# Altium PCB Sensor_Box_Hub_OrangePi.PCBDOC (part 2 of 2)
Units mm, origin at the board's own origin, x right, y up, seen from the top; angles counter-clockwise.
Board outline 45.25 x 72.98 mm, 2 copper layers (Top, Bot), stack 1.571 mm thick; 78 components, 71 nets, 345 pads, 240 vias.
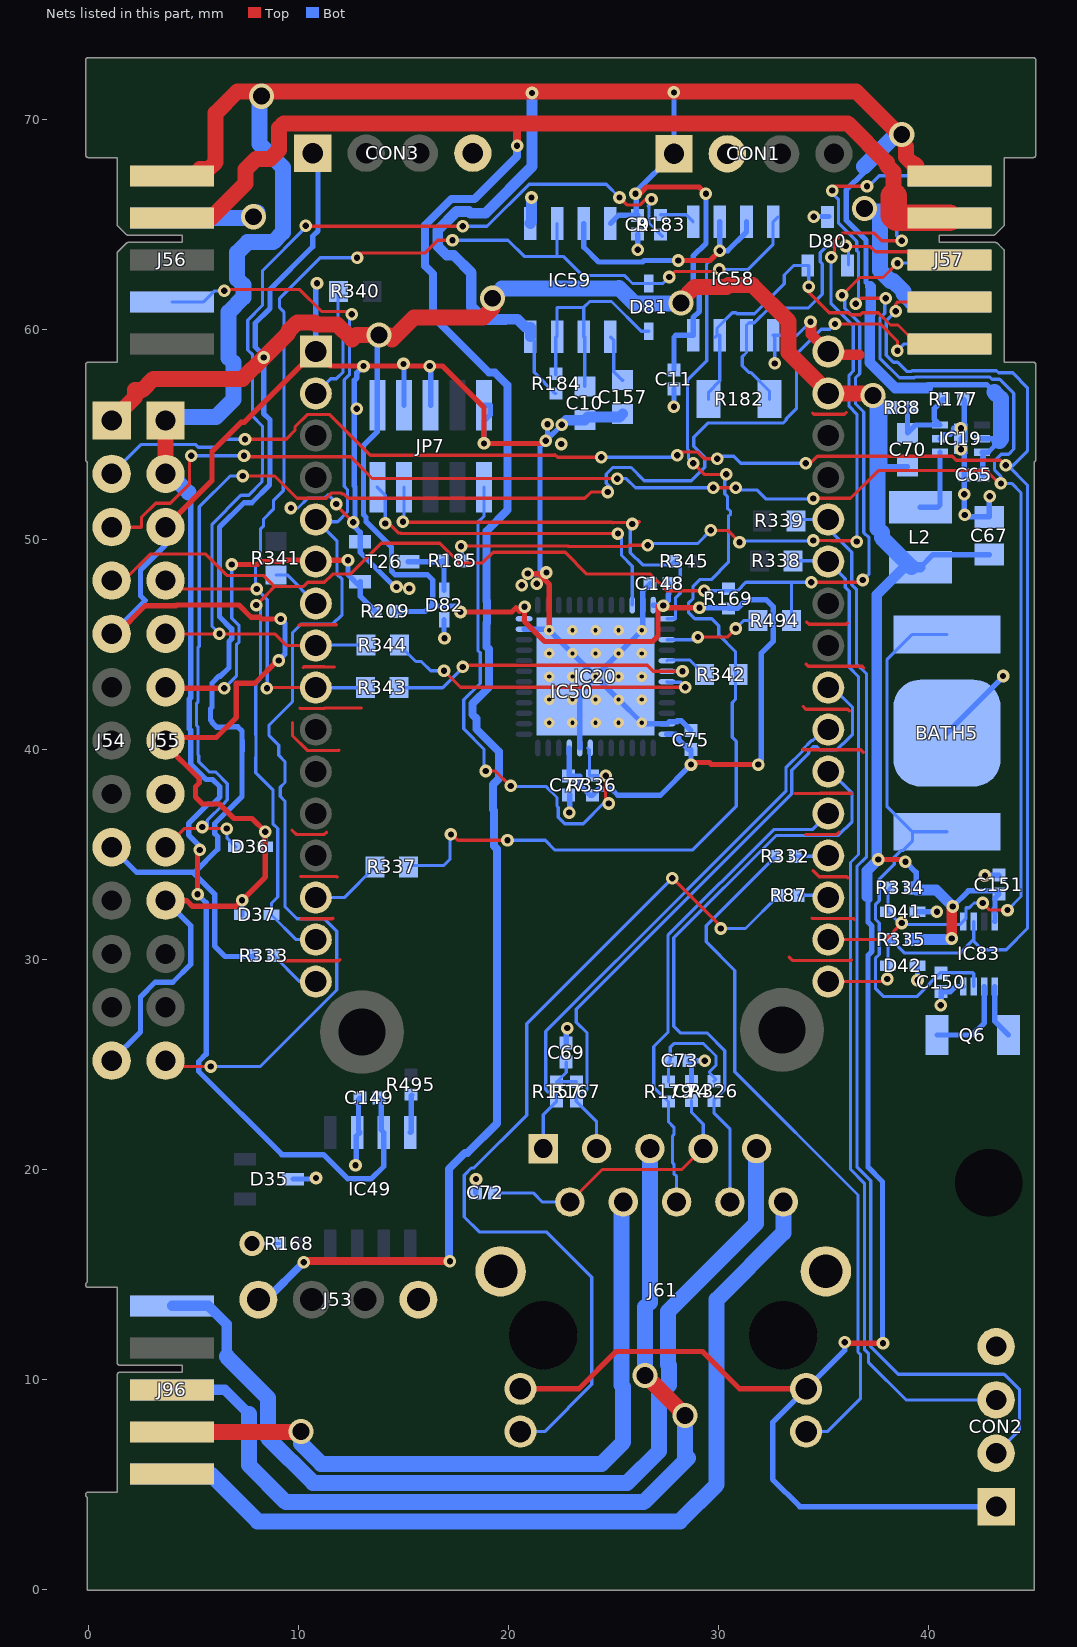
[diagram p2: the nets of this part, all layers, seen from the top]

## Via types
v1: diameter 0.6, hole 0.3, Top to Bot, tented both sides, 201 vias
v2: diameter 0.5, hole 0.2, Top to Bot, tented both sides, 25 vias
v3: diameter 1.2, hole 0.8, Top to Bot, tented both sides, 11 vias
v4: diameter 0.6, hole 0.3, Top to Bot, 2 vias
v5: diameter 1.2, hole 0.711, Top to Bot, tented both sides, 1 vias

## Nets (pads, with @x,y where several pads share a name; then routed paths per layer and width w, separated by ;. In a path a pad name is that pad's centre, name@x,y a point inside that pad or via, vN(x,y) a via of type N, cw(c..) or ccw(c..) an arc to the next point about the centre after c; other vN are vias at no path point) (continued)
GND: BATH5.2 C9.2 C10.1 C11.2 C65.1 C67.2 C69.2 C72.2 C73.2 C74.2 C75.1 C77.1 C148.1 C149.1 C150.2 C151.2 C157.1 CON1.2 CON2.4 CON3.4 D35.3 D36.2 D37.2 D41.2 D42.2 D80.3 D82.2 IC19.5 IC19.7 IC20.8 IC20.23 IC20.35 IC20.47 IC20.49 IC49.2 IC50.1 IC50.32 IC58.5 IC59.1 IC83.4 J53.4 J54.5 J54.13 J55.3 J55.7 J55.10 J56.7 J57.9 J61.S1 J61.S2 JP7.3 JP7.5 JP7.9 R168.1 R177.1 T26.2 | length 227.7
  Top w0.152: 9.081,29.921 9.084,29.925 11.942,29.925 11.989,29.972 ; v1(9.652,51.486) v1@9.677,51.46 ; 9.703,36.144 9.902,35.945 11.248,35.945 11.35,36.047 ; 9.728,41.275 9.728,40.644 10.428,39.945 11.929,39.945 11.938,39.954 ; 10.033,45.898 10.06,45.925 11.248,45.925 11.25,45.923 11.811,45.923 ; 10.084,41.961 10.1,41.945 11.248,41.945 11.264,41.961 13.005,41.961 ; 10.109,33.934 11.836,33.934 11.862,33.909 ; 10.135,31.925 11.63,31.925 11.659,31.953 ; 10.236,43.891 10.27,43.925 11.248,43.925 11.256,43.917 11.735,43.917 ; v1(11.817,51.673) 11.817,51.607 v1(12.624,50.8) ; 33.376,30.099 33.53,29.945 36.32,29.945 36.347,29.972 ; 33.655,37.897 34.835,37.897 34.838,37.9 36.319,37.9 36.347,37.871 ; 34.036,40.005 34.071,39.97 36.788,39.97 36.906,39.853 ; 34.036,42.037 34.173,41.9 36.172,41.9 36.238,41.834 ; 34.163,35.941 35.643,35.941 35.75,36.048 ; 34.188,44.044 34.287,43.945 36.852,43.945 36.932,43.866 ; 34.214,46.05 34.319,45.945 36.09,45.945 36.144,45.999 ; 34.468,31.953 34.476,31.945 36.432,31.945 36.474,31.902 ; 34.493,56.007 34.555,55.945 36.006,55.945 36.093,56.032 ; 34.514,34.211 34.799,33.925 36.128,33.925 36.17,33.884
  Top w0.254: J54.5@1.118,45.491 1.372,45.491 2.718,46.838 4.177,46.838 4.203,46.863 7.182,46.863 7.761,46.284 8.174,46.284 8.255,46.203 v1(9.169,46.203) ; J55.10@3.683,32.791 4.692,32.791 4.967,32.517 7.038,32.517 v1(7.326,32.806) 8.433,33.912 v1(8.433,36.068) 7.798,36.703 6.941,36.703 6.25,37.394 5.45,37.394 5.11,37.733 5.11,38.213 5.288,38.391 5.288,38.603 3.683,40.208 J55.7@3.683,40.411 3.831,40.559 6.098,40.559 7.056,41.518 7.056,43.141 7.93,43.141 9.01,44.221 v1(9.068,44.221) ; J55.3@3.683,50.571 5.898,52.786 5.898,54.183 7.29,55.575 7.442,55.575 10.802,58.935 IC50.1@10.838,58.935 11.531,58.242 v1(13.106,58.242) v1(16.256,58.242) 16.866,58.242 18.847,56.261 v1(18.847,54.559) 21.666,54.559 v1(21.793,54.686) ; v1(20.93,48.362) 21.438,48.362 21.955,47.844 v2(21.955,45.659)
  Top w0.508: v1@34.417,60.198 34.417,59.756 IC50.32@35.238,58.935 35.397,58.776 36.703,58.776
  Bot w0.152: v5(7.798,16.459) R168.1@9.106,16.459 ; v1@9.728,51.41 v1(9.652,51.486) 9.988,51.486 10.447,51.945 11.248,51.945 11.424,52.121 11.817,51.728 v1(11.817,51.673) ; v1(32.69,58.369) 32.69,59.632 IC58.5@32.614,59.708 33.749,59.708 v1(34.392,60.35)
  Bot w0.254: J54.13@1.118,25.171 2.489,26.543 2.489,28.206 3.189,28.905 4.025,28.905 4.877,29.757 4.877,31.598 J55.10@3.683,32.791 ; J54.5@1.118,45.491 1.129,45.491 2.718,47.08 2.489,47.308 2.489,48.526 3.683,49.72 J55.3@3.683,50.571 ; J56.7@4,65.3 J56.7@4.3,65.3 ; D37.2@7.326,32.106 v1(7.326,32.806) ; D36.2@8.422,35.357 8.422,36.057 v1(8.433,36.068) ; v1(9.068,44.221) 9.373,44.526 9.373,45.999 v1(9.169,46.203) ; D35.3@9.761,19.533 10.795,19.533 v1(10.846,19.583) ; IC50.1@10.838,58.935 10.838,62.12 v1(10.897,62.179) ; v1(12.624,50.8) 12.624,50.978 v1@12.675,51.029 ; v1(12.725,20.193) 12.763,20.231 12.763,21.578 12.936,21.75 12.869,21.817 12.869,23.326 C149.1@12.936,23.393 ; v1(13.106,58.242) 12.793,57.929 12.793,57.679 12.675,57.561 12.675,52.533 12.701,52.507 12.701,51.055 v1@12.675,51.029 ; v1(14.681,47.727) 14.598,47.727 12.947,49.378 T26.2@12.947,49.87 12.947,50.324 12.675,50.597 v1@12.675,51.029 ; v1(15.011,58.344) 15.037,58.318 JP7.3@15.037,56.382 ; v1(16.256,58.242) 16.307,58.191 JP7.5@16.307,56.382 ; D82.2@16.942,46.163 16.942,45.314 v1(16.967,45.288) ; C72.2@18.448,18.872 18.448,19.514 v1(18.466,19.533) ; v1(18.847,54.559) 18.847,55.626 19.152,55.931 19.152,56.382 JP7.9@18.847,56.382 ; IC20.23@20.755,45.709 21.905,45.709 v2(21.955,45.659) v2(23.055,44.559) v2(24.155,43.459) ; v1(20.93,48.362) 21.438,48.362 21.514,48.285 21.514,54.407 v1(21.793,54.686) v1@21.869,54.762 ; v1(21.869,55.474) v1@21.869,54.762 ; C69.2@22.758,26.002 22.758,26.67 v1(22.809,26.721) ; v1@22.758,55.651 v1(22.555,55.448) v1@21.869,54.762 ; v1(22.911,36.982) 22.936,37.008 C77.1@22.936,37.828 ; IC20.8@23.405,40.059 23.405,42.709 v2(24.155,43.459) ; v1(26.162,63.779) C9.2@26.162,64.523 ; C148.1@26.753,47.879 26.405,47.531 IC20.35@26.405,46.859 26.405,45.709 v2(25.255,44.559) v2(24.155,43.459) ; v1(27.889,56.312) C11.2@27.889,57.157 ; C75.1@28.702,40.887 28.242,41.347 28.04,41.347 28.04,41.305 27.651,41.305 IC20.47@27.555,41.209 26.405,41.209 v2(26.355,41.259) v2(25.255,42.359) v2(24.155,43.459) ; C74.2@28.727,24.174 28.727,25.063 C73.2@28.619,25.171 v1(29.362,25.171) ; v1(34.544,65.354) 34.551,65.361 D80.3@35.255,65.361 ; v1(39.486,28.993) D42.2@39.486,29.693 ; D41.2@39.486,32.258 v1(40.411,32.258) ; IC19.5@40.554,54.788 40.75,54.983 41.045,54.983 41.209,55.147 41.209,55.288 v1(41.554,55.288) ; v1(40.589,27.813) 40.615,27.788 C150.2@40.615,28.455 41.054,28.455 41.3,28.701 IC83.4@41.668,28.701 ; BATH5.2@40.894,40.767 43.561,43.434 v1(43.561,43.485) ; v1(41.554,54.288) IC19.7@41.554,54.788 ; R177.1@41.669,56.667 41.714,56.622 IC19.7@41.714,54.788 ; IC19.7@41.714,54.288 C65.1@41.714,53.061 v1(41.714,52.146) 41.714,51.174 v1(41.732,51.156) 41.823,51.065 C67.2@42.901,51.065 42.901,52.019 v1(42.926,52.045) ; v1(42.697,33.985) 42.716,34.003 C151.2@43.358,34.003
  Bot w0.508: IC59.1@21.057,65.032 21.039,65.049 21.107,65.118 v1(21.107,66.269) ; v1@22.758,55.651 22.765,55.658 23.641,55.658 C10.1@23.647,55.664 23.8,55.817 25.298,55.817 C157.1@25.451,55.969
  Bot w0.762: J56.7@4,65.3 4.017,65.283 4.142,65.283 4.149,65.29 4.293,65.29 4.3,65.297 4.3,65.3 4.3,65.303 7.822,65.303 v3(7.874,65.354) v3@8.064,65.545 ; v3(36.966,65.75) 36.94,65.75 36.794,65.604 37.697,65.604 37.697,62.8 38.196,62.301 38.318,62.301 38.82,61.799 38.82,61.688 39.208,61.3 J57.9@41,61.3
  other v1: 15.291,47.65 20.65,47.803 21.361,47.879 21.819,48.412 22.53,54.534 12.782,56.21
  other v2: 21.955,41.259 23.055,41.259 24.155,41.259 25.255,41.259 21.955,42.359 23.055,42.359 24.155,42.359 26.355,42.359 21.955,43.459 23.055,43.459 25.255,43.459 26.355,43.459 21.955,44.559 24.155,44.559 26.355,44.559 23.055,45.659 24.155,45.659 25.255,45.659 26.355,45.659
GSM_PWR: IC50.5 J55.13 J56.9 | length 57.9
  Top w0.152: J55.13@3.683,25.171 3.962,24.892 v1(5.842,24.892) ; v1(6.477,61.824) 6.548,61.895 10.057,61.895 11.112,60.839 12.262,60.839 12.505,60.596 12.548,60.638 v1(12.548,60.706)
  Bot w0.152: J56.9@4,61.3 5.496,61.3 6.02,61.824 v1(6.477,61.824) ; v1(5.842,24.892) 8.195,24.892 11.836,28.533 11.836,31.337 11.248,31.925 9.942,31.925 9.373,32.495 9.373,37.53 9.149,37.754 9.149,38.192 9.373,38.416 9.373,39.406 9.073,39.706 9.073,40.192 8.615,40.65 8.615,41.152 9.728,42.265 9.728,45.542 10.131,45.945 11.629,45.945 12.09,46.406 12.09,48.09 11.841,48.339 11.841,49.932 IC50.5@10.943,50.83 ; IC50.5@10.838,50.935 IC50.5@10.943,50.83 ; v1(12.548,60.706) 12.437,60.596 12.437,57.826 12.193,57.582 12.193,52.511 12.345,52.359 12.345,51.298 11.878,50.83 IC50.5@10.943,50.83
IO0: J55.8
IO0/PWM: D37.1 IC50.15 J54.4 J57.8 R169.2 R494.2 | length 81.2
  Top w0.152: J54.4@1.118,48.031 1.702,48.031 2.972,49.301 5.577,49.301 6.614,48.265 7.052,48.265 7.062,48.275 8.341,48.275 8.865,47.752 8.89,47.752 ; v1(8.001,46.863) 8.005,46.863 8.55,47.409 8.55,47.412 8.89,47.752 ; v1(29.337,47.549) 27.562,47.549 26.772,48.339 23.745,48.339 22.707,49.378 19.279,49.378 18.771,48.87 17.678,48.87 16.739,49.809 13.945,49.809 12.474,48.339 11.642,48.339 11.248,47.945 10.447,47.945 10.255,47.752 8.89,47.752 ; v1(34.432,47.945) 36.769,47.945 v1(36.881,48.057) ; v1(35.89,61.62) 36.728,62.459 37.846,62.459 v1(38.532,63.144)
  Bot w0.152: v1(8.001,46.863) 8.199,46.665 8.199,43.339 7.98,43.12 7.98,40.687 7.996,40.671 7.996,39.644 7.98,39.628 7.98,38.883 8.794,38.069 8.794,36.454 9.025,36.223 9.025,32.963 8.726,32.664 D37.1@8.726,32.106 9.897,30.935 IC50.15@10.838,30.935 ; v1(29.337,47.549) 30.922,47.549 31.318,47.945 33.493,47.945 ; R494.2@33.495,46.126 33.495,47.944 33.493,47.945 ; v1(34.432,47.945) 33.493,47.945 ; v1@35.936,61.574 36.022,61.489 36.022,60.995 36.733,60.284 36.733,57.883 36.535,57.684 36.535,56.451 36.932,56.054 36.932,50.315 37.181,50.066 37.181,48.357 v1(36.881,48.057) ; v1(38.532,63.144) 39.518,63.144 39.798,62.865 40.214,63.281 40.553,62.941 40.953,63.341 40.997,63.297 J57.8@41,63.3
IO1: D36.1 J55.9 J57.10 | length 66.6
  Top w0.152: J55.9@3.683,35.331 4.572,36.22 v1(6.604,36.22) ; v1(7.366,53.01) 8.876,53.01 9.94,51.945 11.341,51.945 11.598,52.201 12.036,52.201 12.091,52.146 12.181,52.146 12.383,51.945 23.647,51.945 23.95,52.248 v1(24.74,52.248) ; v1(35.56,60.249) 37.719,60.249 38.532,59.436 v1(38.532,58.979)
  Bot w0.152: v1@5.436,36.119 5.669,36.352 5.669,36.608 6.451,37.39 6.451,37.412 6.625,37.586 6.625,38.36 6.072,38.913 5.755,38.913 5.263,39.405 5.263,39.695 5.232,39.726 5.232,41.053 5.161,41.125 5.161,42.195 5.232,42.266 5.232,44.85 5.283,44.9 5.283,51.536 6.757,53.01 v1(7.366,53.01) ; v1(6.604,36.22) 6.604,35.774 D36.1@7.022,35.357 ; v1@24.912,52.42 24.668,52.664 24.668,53.102 24.978,53.411 25.848,53.411 26.478,52.781 28.713,52.781 29.358,53.426 29.358,53.754 29.35,53.761 29.35,53.9 28.834,54.416 28.834,54.854 29.518,55.539 33.108,55.539 33.242,55.673 33.242,55.74 33.731,56.23 33.731,58.829 34.897,59.995 35.306,59.995 v1(35.56,60.249) ; v1(38.532,58.979) 38.853,59.3 J57.10@41,59.3
  other v1: 5.436,36.297
LEDG: IC50.20 R332.1 | length 1.6
  Bot w0.152: R332.1@33.668,34.9 35.202,34.9 IC50.20@35.238,34.935
LEDY: IC50.19 R87.1 | length 1.5
  Bot w0.152: R87.1@33.82,33.045 35.127,33.045 IC50.19@35.238,32.935
MODBUS_A: D80.1 IC58.6 J57.3 R182.2 | length 18.1
  Top w0.152: v1(36.068,63.957) 36.215,63.957 v1@36.241,63.932 ; v1@36.271,63.932 37.24,63.932 37.489,63.683 38.954,63.683 38.99,63.719 39.191,63.519 39.191,63.3 J57.3@41,63.3
  Bot w0.152: R182.2@32.438,56.667 32.438,57.046 31.542,57.942 31.455,57.942 31.145,58.252 31.145,58.69 31.344,58.888 IC58.6@31.344,59.708 31.344,60.183 31.465,60.304 31.724,60.304 32.425,61.005 34.285,61.005 34.95,61.671 34.95,63.108 34.854,63.205 34.854,63.643 35.168,63.957 v1(36.068,63.957) 36.195,63.957 36.205,63.967 D80.1@36.205,63.061
MODBUS_B: D80.2 IC58.7 J57.5 R182.1 | length 18.6
  Top w0.152: v1(34.305,62.027) 34.305,61.756 35.284,60.777 36.199,60.777 36.291,60.685 36.77,60.685 36.862,60.777 37.621,60.777 38.201,60.198 38.557,60.198 39.455,59.3 J57.5@41,59.3
  Bot w0.152: R182.1@29.538,56.667 29.538,57.002 30.074,57.538 IC58.7@30.074,59.708 ; IC58.7@29.85,59.611 29.947,59.708 29.947,60.056 30.673,60.782 30.85,60.782 30.896,60.736 31.724,60.736 33.142,62.154 33.142,62.58 33.593,63.031 D80.2@34.253,63.031 ; v1(34.305,62.027) D80.2@34.305,63.031
MODBUS_DE: IC58.2 IC58.3 IC59.3 R337.1 R342.2 | length 61
  Top w0.152: v1(17.272,35.941) 17.297,35.966 17.602,35.662 v1(19.964,35.662) ; v1(28.804,53.619) 29.337,53.086 v1(30.378,53.086)
  Top w0.254: v1(28.092,63.271) 29.611,63.271 v1(30.074,63.734)
  Bot w0.152: R337.1@15.253,34.392 15.329,34.468 16.942,34.468 17.221,34.747 17.221,35.89 v1(17.272,35.941) ; v1(19.964,35.662) 21.76,35.662 22.228,35.193 28.767,35.193 30.856,37.282 30.856,40.371 30.663,40.564 30.663,42.215 30.823,42.375 30.823,44.641 30.023,45.441 30.023,45.872 29.688,46.207 28.889,46.207 28.58,46.517 28.58,46.955 28.802,47.177 28.802,47.761 29.118,48.077 29.667,48.077 30.485,48.895 30.485,51.095 30.586,51.197 30.586,51.318 30.434,51.47 30.434,52.035 30.307,52.162 30.307,53.015 v1(30.378,53.086) ; v1(28.804,53.619) 28.59,53.833 28.59,54.229 28.529,54.29 28.529,57.561 29.454,58.487 29.454,61.751 29.439,61.767 29.439,63.099 v1(30.074,63.734)
  Bot w0.254: IC59.3@23.597,65.032 23.597,63.906 24.303,63.2 26.402,63.2 26.473,63.271 v1(28.092,63.271) ; IC58.2@30.074,65.108 v1(30.074,63.734) 30.445,63.734 31.344,64.633 IC58.3@31.344,65.108
MODBUS_RST: IC50.6 J55.6 R209.1 T26.1 | length 18.3
  Top w0.254: J55.6@3.683,42.951 3.708,42.977 3.785,42.901 v1(6.477,42.901) ; v1(6.833,48.793) 8.071,48.793 8.212,48.935 9.22,48.935 9.282,48.997 v1(12.37,48.997) 12.522,48.997 12.461,48.935 v1@12.37,48.935
  Bot w0.152: v1(6.477,42.901) 7.056,43.48 7.056,44.977 7.183,45.104 7.183,45.879 6.833,46.229 v1(6.833,48.793)
  Bot w0.254: v1(12.37,48.997) 12.37,48.314 T26.1@12.947,47.736 ; T26.1@12.947,47.97 T26.1@12.947,47.736 ; R209.1@13.678,46.558 12.947,47.289 T26.1@12.947,47.736
MODBUS_RX: IC50.8 J55.5 R183.1 R344.2 | length 51.9
  Top w0.152: J55.5@3.683,45.491 v1(6.248,45.491) 8.89,45.491 9.446,44.935 IC50.8@10.838,44.935 ; v1(10.363,64.922) 10.389,64.897 v1(17.831,64.897) ; v1(25.298,66.269) 25.649,65.918 26.279,65.918 26.554,66.192 v1(26.822,66.192)
  Bot w0.152: v1(6.248,45.491) 5.898,45.842 5.898,50.718 7.27,52.091 7.641,52.091 8.276,52.725 8.276,53.095 8.301,53.12 8.301,55.377 7.827,55.851 7.827,58.782 7.599,59.009 7.599,60.433 8.301,61.134 8.301,62.783 10.363,64.845 v1(10.363,64.922) ; IC50.8@10.838,44.935 10.861,44.958 R344.2@13.221,44.958 ; v1(17.831,64.897) 18.988,64.897 20.995,66.904 24.663,66.904 v1(25.298,66.269) ; v1(26.822,66.192) 26.822,66.011 26.67,65.858 26.701,65.828 26.701,65.057 R183.1@27.254,64.503 R183.1@27.33,64.427
MODBUS_TX: D81.1 IC50.9 IC58.4 IC59.2 J55.4 R343.2 | length 57.8
  Top w0.152: J55.4@3.683,48.031 4.087,47.628 v1(8.022,47.628) ; v1(8.509,42.901) 8.543,42.935 IC50.9@10.838,42.935 ; v1@12.802,63.622 16.027,63.622 16.642,64.237 v1(17.348,64.237) ; v1(27.661,62.484) 27.919,62.743 29.947,62.743 v1(30.048,62.844)
  Bot w0.152: v1(8.509,42.901) 8.53,42.921 8.53,47.12 v1(8.022,47.628) 7.971,47.678 7.971,48.738 8.199,48.966 8.199,50.479 8.352,50.632 8.352,50.959 8.819,51.426 8.819,51.831 9.292,52.304 9.292,52.674 9.317,52.699 9.317,60.823 9.114,61.027 9.114,61.463 11.049,63.398 v1(12.802,63.398) ; IC50.9@10.838,42.935 10.847,42.926 R343.2@13.195,42.926 ; v1(17.348,64.237) 19.99,64.237 20.76,63.467 22.327,63.467 ; IC59.2@22.327,65.032 22.327,63.467 ; v1(27.661,62.484) 27.353,62.176 D81.1@26.695,62.176 25.918,62.176 25.534,62.56 23.52,62.56 22.614,63.467 22.327,63.467 ; v1(30.048,62.844) 31.425,62.844 32.614,64.033 IC58.4@32.614,65.108 IC58.4@32.837,65.332
NetBATH5_1: BATH5.1 C150.1 IC83.3 | length 28.1
  Bot w0.152: BATH5.1@40.894,36.067 BATH5.1@39.244,36.067 ; BATH5.1@40.894,45.467 39.243,45.467 38.028,44.252 38.028,37.282 BATH5.1@39.243,36.067 ; IC83.3@42.168,28.701 42.168,29.319 42.131,29.355 C150.1@40.615,29.355 40.571,29.355 40.076,28.86 40.076,28.835 39.46,28.219 37.871,28.219 37.482,28.609 37.482,30.037 37.67,30.225 37.67,31.725 37.482,31.913 37.482,32.603 37.67,32.791 37.67,33.806 38.384,34.52 38.384,34.865 38.694,35.174 38.792,35.174 39.244,35.626 BATH5.1@39.244,36.067
NetC10_2: C10.2 D81.2 IC59.6 IC59.7 R184.2 | length 12.1
  Bot w0.152: R184.2@22.263,57.81 IC59.7@22.263,59.632 ; IC59.7@22.327,59.632 22.327,61.036 23.597,61.036 ; IC59.6@23.597,59.632 23.597,61.036 ; C10.2@23.647,57.264 IC59.6@23.647,59.632 ; D81.2@26.695,59.896 26.335,59.896 24.916,61.316 23.876,61.316 23.597,61.036
NetC69_1: C69.1 R157.2 R167.2 | length 2.1
  Bot w0.152: R157.2@22.301,24.168 R157.2@22.321,24.168 ; C69.1@22.758,25.102 22.758,24.605 R157.2@22.321,24.168 ; R167.2@23.241,24.168 R157.2@22.321,24.168
NetC70_1: C70.1 IC19.6 R88.1 R177.2 | length 4.5
  Bot w0.254: R88.1@39.053,56.286 39.014,56.248 C70.1@39.014,55.054 39.398,55.438 IC19.6@40.554,55.438 40.289,55.703 40.289,56.227 R177.2@40.729,56.667
NetC72_1: C72.1 C74.1 J61.4 J61.9 | length 13.7
  Top w0.152: J61.9@22.936,18.44 24.486,19.99 28.259,19.99 29.25,20.98 J61.4@29.286,20.98
  Bot w0.152: C72.1@19.348,18.872 21.184,18.872 21.615,18.44 J61.9@22.936,18.44 ; C74.1@28.727,23.274 28.727,22.708 29.286,22.149 J61.4@29.286,20.98
NetC73_1: C73.1 R179.2 R326.2 | length 5.7
  Bot w0.152: R179.2@27.635,24.168 27.635,25.088 C73.1@27.719,25.171 27.719,25.814 27.889,25.984 29.297,25.984 29.891,25.39 29.891,24.952 29.581,24.643 29.581,24.6 29.891,24.29 R326.2@29.794,24.194
NetC157_2: C157.2 IC59.5 | length 2.3
  Bot w0.152: IC59.5@24.867,59.632 25.027,59.471 25.027,57.968 25.426,57.569 C157.2@25.451,57.569
NetCON2_2: CON2.2 IC50.28 R339.1 | length 53.6
  Bot w0.152: R339.1@33.693,50.876 33.752,50.935 IC50.28@35.238,50.935 35.238,50.502 36.352,49.387 36.352,47.838 36.576,47.614 36.576,44.069 37.063,43.582 37.063,34.875 36.601,34.414 36.601,20.122 37.262,19.462 37.262,11.546 38.572,10.236 43.612,10.236 44.348,9.5 44.348,7.595 CON2.2@43.231,6.477
NetCON2_3: CON2.3 IC50.27 R338.1 | length 47.7
  Bot w0.152: R338.1@33.566,48.971 35.202,48.971 IC50.27@35.238,48.935 36.047,48.125 36.047,47.712 36.238,47.521 36.238,43.899 36.678,43.459 36.678,34.986 36.297,34.605 36.297,19.996 36.957,19.335 36.957,11.42 37.16,11.217 37.16,10.795 38.938,9.017 CON2.3@43.231,9.017
NetD82_1: D82.1 R185.2 T26.3 | length 3.1
  Bot w0.254: T26.3@15.247,48.92 16.827,48.92 R185.2@16.878,48.971 16.942,48.908 D82.1@16.942,47.563
NetIC19_4: IC19.4 L2.1 | length 3.5
  Bot w0.254: L2.1@39.624,51.514 40.439,51.514 40.554,51.629 IC19.4@40.554,54.138
NetIC20_39: IC20.39 R494.1 | length 4.7
  Top w0.152: v4(29.032,45.339) 30.429,45.339 v4(30.836,45.745)
  Bot w0.152: IC20.39@27.555,45.209 28.903,45.209 v4(29.032,45.339) ; v4(30.836,45.745) 31.217,46.126 R494.1@31.895,46.126
NetIC20_41: IC20.41 R342.1 | length 2.1
  Bot w0.152: IC20.41@27.555,44.209 27.588,44.242 28.657,44.242 R342.1@29.35,43.549
NetIC20_42: IC20.42 R343.1 | length 14.9
  Top w0.152: v1(17.831,43.917) 17.907,43.993 26.619,43.993 26.899,43.713 v1(28.296,43.713)
  Bot w0.152: R343.1@14.795,42.926 16.877,42.926 17.831,43.88 v1(17.831,43.917) ; IC20.42@27.555,43.709 28.317,43.709 28.313,43.713 v1(28.296,43.713)
NetIC20_43: IC20.43 R344.1 | length 15.4
  Top w0.152: v1(16.942,43.739) 17.729,42.951 v1(28.423,42.951)
  Bot w0.152: R344.1@14.821,44.958 15.603,44.175 15.867,44.175 16.304,43.739 v1(16.942,43.739) ; IC20.43@27.555,43.209 27.58,43.185 28.215,43.185 28.423,42.977 v1(28.423,42.951)
NetIC49_4: IC49.4 R495.1 | length 1.8
  Bot w0.254: IC49.4@15.342,21.75 15.38,21.788 15.38,23.495 R495.1@15.418,23.533
NetIC50_2: IC50.2 R340.2 | length 5.7
  Bot w0.152: IC50.2@10.838,56.935 11.543,57.64 11.82,57.64 12.133,57.953 12.133,59.917 11.892,60.158 11.892,61.765 R340.2@11.925,61.798
NetIC50_7: IC50.7 R341.2 | length 2.5
  Bot w0.152: R341.2@8.941,48.298 9.475,48.298 IC50.7@10.838,46.935
NetIC50_14: IC50.14 R337.2 | length 3.4
  Bot w0.152: IC50.14@10.838,32.935 12.196,32.935 R337.2@13.653,34.392
NetIC50_16: IC50.16 R333.2 | length 2.5
  Bot w0.152: R333.2@8.827,30.175 10.067,28.935 IC50.16@10.838,28.935
NetIC58_1: IC58.1 R183.2 | length 1.7
  Bot w0.152: R183.2@27.254,65.443 28.468,65.443 IC58.1@28.804,65.108
NetIC83_1: IC83.1 Q6.1 | length 2.6
  Bot w0.254: IC83.1@43.168,28.701 43.168,27.036 Q6.1@43.813,26.391
NetIC83_2: IC83.2 Q6.2 | length 4.2
  Bot w0.254: Q6.2@40.413,26.391 42.088,26.391 42.668,26.971 IC83.2@42.668,28.701
NetJ57_7: J57.7 R185.1 | length 42.7
  Top w0.152: v1(17.755,49.657) 17.78,49.682 22.833,49.682 22.859,49.657 25.705,49.657 25.756,49.708 v1(26.645,49.708) ; v1(29.642,50.419) 30.455,50.419 v1(31.013,49.86) ; v1(34.519,49.936) 35.396,49.936 35.408,49.925 36.641,49.925 v1(36.601,49.886) ; v1(35.382,63.424) 35.433,63.424 35.539,63.53 35.539,64.181 35.941,64.583 37.405,64.583 37.776,64.211 v1(38.735,64.211)
  Bot w0.152: v1(17.755,49.657) 17.818,49.593 R185.1@17.818,48.971 ; v1(26.645,49.708) 26.726,49.789 29.012,49.789 v1(29.642,50.419) ; v1(31.013,49.86) 31.064,49.911 34.493,49.911 v1(34.519,49.936) ; v1@35.624,63.475 35.362,63.212 35.362,61.224 36.428,60.158 36.428,58.009 36.23,57.81 36.23,56.325 36.601,55.954 v1(36.601,49.886) ; v1(38.735,64.211) 38.503,64.443 38.503,65.3 J57.7@41,65.3
NetJ61_L2: J61.L2 R87.2 | length 43.8
  Top w0.152: v1(27.813,33.858) 27.838,33.858 30.12,31.577 v1(30.12,31.463)
  Bot w0.152: J61.L2@20.581,7.51 21.734,7.51 23.978,9.754 23.978,14.859 21.819,17.018 18.618,17.018 17.909,17.727 17.909,19.723 18.247,20.061 18.367,20.061 20.879,22.573 20.879,26.924 v1(27.813,33.858) ; v1(30.12,31.463) 31.297,31.463 R87.2@32.88,33.045
NetJ61_L4: J61.L4 R332.2 | length 33.5
  Bot w0.152: R332.2@32.728,34.9 29.426,31.597 29.426,30.823 30.785,29.464 30.785,24.641 36.652,18.773 36.652,11.294 36.779,11.167 36.779,9.093 35.196,7.51 J61.L4@34.181,7.51
P3V3: C67.1 C70.2 C75.2 C77.2 C148.2 C151.1 CON2.1 CON3.1 IC20.9 IC20.24 IC20.36 IC20.48 IC50.31 IC83.8 J54.1 J54.9 J61.L1 J61.L3 JP7.1 L2.2 R88.2 R169.1 R209.2 R333.1 R334.2 R335.2 R336.1 | length 260.4
  Top w0.254: v1(17.729,46.533) 20.168,46.533 20.371,46.736 20.549,46.558 v1(20.777,46.787) 20.777,46.089 21.736,45.13 26.867,45.13 27.13,45.393 v1@27.13,46.787 ; J61.L1@20.581,9.54 23.358,9.54 25.138,11.32 29.243,11.32 31.023,9.54 J61.L3@34.181,9.54 ; v1(27.381,46.838) 27.181,46.838 v1@27.13,46.787 ; v1(28.702,39.268) 28.799,39.365 29.577,39.365 29.674,39.268 v1(31.902,39.268) ; v1(29.108,46.736) 27.181,46.736 v1@27.13,46.787 ; v1(36.017,11.76) 36.068,11.709 v1(37.846,11.709) ; v1(37.617,34.747) 38.811,34.747 v1(38.913,34.646)
  Top w0.508: v1(41.123,30.988) 41.123,32.471 v1(41.164,32.512)
  Top w0.762: J54.1@1.118,55.651 2.235,56.769 2.235,57.099 2.565,57.099 3.099,57.633 7.34,57.633 v1(8.356,58.649) 9.543,59.836 9.543,59.917 9.855,60.23 9.862,60.23 9.957,60.325 10.765,60.325 10.86,60.23 11.845,60.23 12.563,59.512 12.766,59.715 v3(13.843,59.715) 14.265,59.715 14.468,59.512 15.504,60.549 18.791,60.549 19.253,61.011 v3(19.253,61.468) ; v3(28.219,61.239) 28.219,61.341 28.889,62.011 30.393,62.011 30.485,62.103 31.623,62.103 33.35,60.376 33.35,58.887 35.238,57 IC50.31@35.238,56.935 37.324,56.935 37.324,56.884 v3(37.363,56.845)
  Bot w0.254: J54.9@1.118,35.331 2.311,34.138 4.985,34.138 ; R333.1@7.887,30.175 7.841,30.129 6.516,30.129 6.02,30.626 6.02,33.103 4.985,34.138 ; CON3.1@10.693,68.377 10.943,68.128 10.943,64.682 10.693,64.433 10.693,63.932 8.657,61.895 8.657,60.987 7.955,60.286 7.955,59.157 8.356,58.756 v1(8.356,58.649) 8.356,55.987 8.657,55.687 8.657,52.973 8.631,52.948 8.631,52.578 7.789,51.735 7.417,51.735 6.253,50.571 6.253,46.306 6.828,45.731 6.828,45.251 6.701,45.124 6.701,43.88 6.301,43.48 6.237,43.48 5.898,43.141 5.898,41.998 5.821,41.921 5.821,41.398 5.893,41.327 5.893,41.268 6.11,41.051 6.59,41.051 6.606,41.067 7.123,41.067 7.32,40.87 7.32,40.413 7.336,40.397 7.336,39.917 7.32,39.902 7.32,37.756 6.025,36.46 6.025,35.98 6.167,35.838 6.167,35.244 5.061,34.138 4.985,34.138 ; v3@13.767,59.715 JP7.1@13.767,56.382 13.767,55.118 13.107,54.459 13.107,51.166 13.229,51.045 13.229,50.834 14.443,49.62 14.443,48.48 14.616,48.306 16.149,48.306 16.408,48.046 16.408,46.919 16.307,46.817 ; R209.2@14.618,46.558 16.048,46.558 16.307,46.817 ; v1(17.729,46.533) 17.729,46.685 17.597,46.817 16.307,46.817 ; IC20.24@20.755,46.209 20.777,46.231 v1(20.777,46.787) ; IC20.9@22.905,40.059 22.905,38.759 22.936,38.728 23.414,38.728 23.414,38.289 23.895,37.808 R336.1@24.003,37.808 24.295,38.1 24.924,38.1 25.216,37.808 27.241,37.808 v1(28.702,39.268) C75.2@28.702,39.987 28.587,39.987 28.113,40.461 28.113,40.576 27.979,40.709 IC20.48@27.555,40.709 ; IC20.36@26.905,46.859 27.359,46.859 v1(27.381,46.838) 27.615,47.071 27.615,47.355 27.653,47.394 C148.2@27.653,47.879 ; v1(29.108,46.736) R169.1@30.487,46.736 ; R169.1@30.487,46.698 30.924,46.698 31.349,47.122 32.278,47.122 32.624,46.776 32.624,45.146 32.055,44.577 32.055,39.421 v1(31.902,39.268) ; v1(36.017,11.76) 36.017,11.376 J61.L3@34.181,9.54 32.588,7.947 32.588,5.232 33.884,3.937 CON2.1@43.231,3.937 ; 37.215,32.838 37.127,32.75 37.127,31.766 37.315,31.578 37.315,30.373 37.127,30.185 37.127,20.1 37.821,19.406 37.821,11.735 v1(37.846,11.709) ; v3@37.591,56.669 37.922,56.337 37.922,53.454 C70.2@39.014,53.454 ; v1(38.913,34.646) 39.421,34.138 39.421,33.693 R334.2@39.129,33.401 ; L2.2@39.624,48.664 40.225,49.265 C67.1@42.901,49.265 ; v1(41.164,32.512) 41.91,33.258 43.203,33.258 C151.1@43.358,33.103 43.174,32.92 43.175,32.918 43.175,32.439 43.139,32.403 43.139,32.261 43.175,32.225 43.175,31.809 IC83.8@43.168,31.801
  Bot w0.508: 37.084,32.969 37.084,34.214 37.546,34.675 37.546,47.35 38.859,48.664 39.195,48.664 L2.2@39.624,48.664 ; R335.2@39.18,30.937 41.072,30.937 v1(41.123,30.988) ; 39.421,33.299 40.376,33.299 v1(41.164,32.512)
  Bot w0.762: v3@13.767,59.715 v3(13.843,59.715) ; v3(19.253,61.468) 19.71,61.925 25.256,61.925 25.281,61.951 26.043,61.189 26.077,61.223 28.203,61.223 v3(28.219,61.239) ; v3(37.363,56.845) 37.414,56.845 37.591,56.669 37.591,50.518 37.79,50.318 37.79,50.068 L2.2@39.195,48.664
P5V0: C9.1 C11.1 C65.2 C149.2 CON1.1 IC19.2 IC19.3 IC49.3 IC58.8 IC59.4 IC59.8 J55.1 J55.2 J56.1 J57.1 R184.1 | length 177.5
  Top w0.254: v1(5.207,33.096) 5.207,35.103 v1(5.309,35.204) ; v1@26.295,66.485 26.582,66.772 29.088,66.772 v1(29.413,66.446)
  Top w0.762: J55.2@3.683,53.111 J55.1@3.683,55.651 ; J56.1@4,67.3 5.313,67.3 5.313,67.616 5.728,67.616 6.07,67.957 6.07,70.281 7.105,71.317 35.281,71.317 36.567,71.317 v3@38.354,69.53 ; 38.939,68.669 38.939,68.186 39.281,67.844 39.364,67.844 39.447,67.762 39.447,67.3 J57.1@41,67.3
  Bot w0.152: IC59.8@21.057,59.632 21.241,59.447 21.241,57.939 22.246,56.934 R184.1@22.276,56.934
  Bot w0.254: 4.775,52.223 4.877,52.122 4.877,42.457 4.805,42.386 4.805,40.977 4.877,40.906 4.877,39.288 5.608,38.557 5.925,38.557 6.269,38.213 6.269,37.733 5.93,37.394 5.713,37.394 4.78,36.46 4.78,35.923 5.309,35.394 v1(5.309,35.204) ; v1(5.207,33.096) 5.613,32.69 5.613,25.483 5.263,25.132 5.263,24.652 9.219,20.696 11.207,20.696 12.352,19.55 13.487,19.55 14.072,20.134 IC49.3@14.072,21.75 13.954,21.868 13.954,23.276 C149.2@13.836,23.393 ; IC59.4@24.867,65.032 25.258,65.423 C9.1@26.162,65.423 26.091,65.495 26.091,66.553 CON1.1@27.889,68.351 v1(27.889,71.272) ; C11.1@27.889,58.057 27.889,59.614 27.983,59.708 IC58.8@28.804,59.708 28.804,60.555 29.099,60.85 29.099,61.604 28.804,61.899 28.804,63.475 29.413,64.084 v1(29.413,66.446) ; 36.932,67.742 36.932,67.469 36.087,66.624 36.087,65.189 37.037,64.239 37.037,62.236 37.229,62.044 ; v3@38.215,69.026 38.543,69.026 v3@38.557,69.012 ; 39.973,57.353 42.799,57.353 43.145,57.007 ; IC19.2@42.554,54.788 43.282,54.788 43.383,54.686 43.383,54.667 42.854,54.138 IC19.3@42.554,54.138 42.614,54.078 42.614,53.897 42.601,53.884 42.601,53.074 C65.2@42.614,53.061
  Bot w0.508: IC59.8@21.057,59.632 21.057,60.096 20.823,60.096 20.442,60.477 19.889,60.477 19.873,60.462 18.836,60.462 18.247,61.051 18.247,62.673 17.399,63.521 17.065,63.521 16.642,63.944 16.642,64.707 17.538,65.603 18.123,65.603 18.201,65.526 18.917,65.526 21.133,67.742 v1(21.133,71.247) ; 37.23,62.044 37.257,62.017 37.257,60.773 37.216,60.732 37.216,58.416 38.43,57.202 39.973,57.202
  Bot w0.762: J55.2@3.683,53.111 3.887,53.111 4.775,52.223 ; J55.1@3.683,55.651 3.861,55.829 6.096,55.829 6.913,56.646 6.913,58.403 6.685,58.631 6.685,60.812 7.387,61.513 7.387,62.093 7.091,62.388 7.091,63.645 7.591,64.145 8.801,64.145 9.266,64.61 9.266,67.706 8.153,68.819 8.153,70.78 8.255,70.881 v3(8.255,71.095) ; 36.932,67.742 38.215,69.026 38.456,69.266 v3(38.735,69.266) ; 43.145,57.007 43.463,56.689 43.463,54.766 43.383,54.686
  other v1: 26.06,66.446
P12V0: J53.1 J56.2 J57.2 | length 113.8
  Top w0.381: v1(10.262,15.57) 10.312,15.621 v1(17.223,15.621) ; v1(20.422,68.732) 20.422,69.799
  Top w0.762: J56.2@4,65.3 4.3,65.3 4.3,65.303 4.303,65.3 5.858,65.3 7.498,66.94 7.498,67.604 7.986,68.093 8.65,68.093 9.093,68.535 9.093,69.571 9.322,69.799 20.422,69.799 36.157,69.799 38.025,67.931 38.025,67.807 38.354,67.478 38.354,66.324
  Top w1.27: 38.354,66.324 38.354,65.431 38.484,65.3 J57.2@41,65.3
  Bot w0.381: J53.1@8.103,13.792 8.484,13.792 v1(10.262,15.57) ; v1(17.223,15.621) 17.185,15.659 17.185,20.023 17.947,20.785 18.067,20.785 19.464,22.182 19.464,35.253 19.322,35.395 19.322,37.072 19.271,37.123 19.271,38.315 19.566,38.611 19.566,39.879 18.491,40.954 18.491,41.458 18.306,41.644 18.306,42.176 19.083,42.954 19.083,44.766 18.974,44.875 18.974,46.006 18.982,46.014 18.982,47.052 18.974,47.059 18.974,50.394 19.964,51.384 19.964,57.33 19.369,57.925 19.094,57.925 16.426,60.594 16.426,62.622 16.045,63.003 16.045,64.954 17.291,66.2 18.397,66.2 20.422,68.224 v1(20.422,68.732)
PHY_RD_N: IC50.22 J61.3 R326.1 | length 28.5
  Bot w0.152: R326.1@29.794,23.254 29.794,22.682 30.556,21.92 J61.3@30.556,18.44 ; R326.1@29.794,23.293 30.307,23.806 30.307,25.649 29.464,26.492 28.194,26.492 27.884,26.803 27.884,31.019 32.755,35.89 34.829,35.89 34.838,35.9 35.722,35.9 36.373,36.551 36.373,37.897 35.335,38.935 IC50.22@35.238,38.935
PHY_RD_P: IC50.21 J61.5 R179.1 | length 23.5
  Bot w0.152: 26.924,25.845 26.924,23.909 27.605,23.228 R179.1@27.635,23.228 27.635,22.25 27.889,21.996 27.889,21.651 27.824,21.586 27.824,20.31 27.889,20.245 27.889,19.784 28.016,19.657 J61.5@28.016,18.44 ; 26.937,25.845 27.604,26.512 27.604,31.135 32.639,36.17 34.472,36.17 IC50.21@35.238,36.935
PHY_TD_N: IC50.24 J61.8 R167.1 | length 29.9
  Bot w0.152: J61.8@24.206,20.98 24.206,22.263 R167.1@23.241,23.228 23.241,23.594 23.322,23.675 23.635,23.675 23.754,23.794 23.754,26.487 23.241,27.001 23.241,27.621 33.503,37.882 33.503,39.007 34.312,39.817 34.312,39.892 34.551,40.131 34.677,40.131 34.838,39.97 35.637,39.97 35.92,40.253 ; IC50.24@35.238,42.935 35.449,42.935 36.398,41.986 36.398,40.716 35.927,40.245
PHY_TD_P: IC50.23 J61.10 R157.1 | length 25.9
  Bot w0.152: J61.10@21.666,20.98 21.666,22.593 R157.1@22.301,23.228 22.301,23.594 22.221,23.675 21.907,23.675 21.788,23.794 21.788,26.563 28.545,33.32 28.545,33.35 28.575,33.35 33.223,37.998 33.223,39.123 34.012,39.912 34.012,39.987 34.435,40.411 34.488,40.411 34.678,40.6 34.846,40.6 IC50.23@34.874,40.571
POE_VC1: J61.7 J96.4 | length 34.4
  Top w0.762: J96.4@4,7.5 10.116,7.5 v3(10.135,7.518)
  Bot w0.762: v3(10.135,7.518) 10.135,6.934 11.092,5.977 24.442,5.977 25.476,7.01 25.476,9.624 25.384,9.716 25.384,18.348 J61.7@25.476,18.44
POE_VC1+: J96.3
POE_VC1-: J96.5
POE_VC2: J61.2 J96.6 | length 45.7
  Bot w0.508: J96.6@4,13.5 5.723,13.5 6.603,12.621 6.603,11.076
  Bot w0.762: 6.603,11.076 8.56,9.119 8.56,7.216 10.713,5.062 25.662,5.062 27.178,6.579 27.178,9.243 27.651,9.716 27.651,10.655 27.61,10.696 27.61,13.231 31.801,17.422 31.801,20.955 J61.2@31.826,20.98
POE_VC3: J61.6 J96.8 | length 45.3
  Top w0.762: v3(26.518,10.185) v3(28.423,8.28)
  Bot w0.508: J96.8@4,9.5 4.385,9.5 6.502,9.5 7.645,8.357
  Bot w0.762: J96.8@4,9.5 4,9.497 4.385,9.497 J96.8@4.385,9.5 ; 7.645,8.357 7.645,5.918 9.416,4.148 26.449,4.148 28.55,6.248 28.423,6.375 v3(28.423,8.28) v3@28.55,8.153 ; v3(26.518,10.185) 26.518,13.432 26.746,13.661 J61.6@26.746,20.98
POE_VC4: J61.1 J96.10 | length 42.4
  Bot w0.762: J96.10@4,5.5 5.804,5.5 8.07,3.233 28.176,3.233 29.921,4.978 29.921,13.792 33.096,16.967 J61.1@33.096,18.44
RESETn: IC20.7 JP7.10 R336.2 | length 25.8
  Top w0.152: v1(18.923,38.964) 19.38,38.964 20.091,38.252 v1(20.117,38.252) ; v1(24.638,38.735) 24.638,37.567 v1(24.79,37.414)
  Bot w0.152: JP7.10@18.847,52.482 18.847,51.092 18.555,50.8 18.555,46.886 18.563,46.878 18.563,46.188 18.555,46.18 18.555,44.702 18.664,44.592 18.664,43.128 17.886,42.35 17.886,40.966 18.847,40.006 18.847,38.989 18.872,38.964 v1(18.923,38.964) ; v1(20.117,38.252) 20.142,38.227 21.793,38.227 22.321,37.699 22.321,37.289 22.382,37.228 22.382,36.763 22.692,36.454 23.572,36.454 24.533,37.414 v1(24.79,37.414) ; 23.774,40.056 23.876,39.954 23.876,38.748 23.889,38.735 v1(24.638,38.735)
SCL: D41.1 IC50.18 IC83.5 J54.3 J57.6 R334.1 | length 108.2
  Top w0.152: J54.3@1.118,50.571 2.519,50.571 2.54,50.593 2.54,51.045 3.21,51.714 3.902,51.714 4.826,52.638 4.826,53.899 v1(4.902,53.975) ; v1(7.417,53.975) 7.467,53.925 12.495,53.925 13.537,52.883 v1(25.197,52.883) ; v1(29.769,52.451) v1(30.836,52.451) ; v1(34.521,51.935) 34.659,51.935 34.669,51.945 36.298,51.945 37.617,53.264 42.769,53.264 43.358,52.675 43.439,52.675 v1(43.459,52.654) ; IC50.18@35.238,30.935 37.963,30.935 38.735,31.707 v1(38.735,31.725) ; v1@35.509,66.802 v1(37.084,66.802) ; v1(36.551,61.214) 36.805,61.468 v1(37.973,61.468) ; v1(42.595,32.679) 42.933,32.341 v1(43.77,32.341)
  Bot w0.152: J54.3@1.118,50.571 J54.3@1.118,50.952 ; v1(4.902,53.975) v1(7.417,53.975) ; v1(25.197,52.883) 25.629,52.883 26.06,52.451 v1(29.769,52.451) ; v1(30.836,52.451) 30.836,52.37 30.81,52.345 31.831,52.345 32.258,51.918 34.504,51.918 v1(34.521,51.935) ; v1(35.433,66.599) 35.433,66.458 35.731,66.16 35.731,65.041 36.597,64.176 36.597,63.736 36.681,63.651 36.681,61.345 v1(36.551,61.214) ; v1(37.084,66.802) 37.165,66.802 37.663,67.3 J57.6@41,67.3 ; v1(37.973,61.468) 37.927,61.422 37.927,60.761 37.698,60.532 37.698,58.616 38.63,57.684 39.332,57.684 39.365,57.717 42.939,57.717 43.039,57.617 43.398,57.617 44.072,56.942 44.072,54.294 43.825,54.046 43.469,54.046 43.159,53.737 43.159,53.289 43.459,52.989 v1(43.459,52.654) 43.967,52.654 44.417,52.205 44.417,32.987 v1(43.77,32.341) ; R334.1@38.189,33.401 38.086,33.298 D41.1@38.086,32.258 38.619,31.725 v1(38.735,31.725) 38.802,31.658 41.525,31.658 IC83.5@41.668,31.801 41.789,31.923 41.789,32.455 41.955,32.455 42.178,32.679 v1(42.595,32.679)
SDA: D42.1 IC50.17 IC83.6 J54.2 J57.4 R335.1 | length 98.5
  Top w0.152: v1(7.468,54.762) 9.423,54.762 9.848,55.187 9.848,55.345 10.433,55.931 11.506,55.931 13.437,54 22.225,54 ; 22.225,54.031 22.357,53.899 v1(24.435,53.899) ; v1(28.042,54) 28.189,54.148 29.023,54.148 29.338,53.832 ; 29.378,53.872 29.418,53.832 v1(29.959,53.832) v1@29.791,54 ; v1@34.295,53.518 34.722,53.945 41.15,53.945 41.335,53.759 43.447,53.759 v1(43.688,53.518) ; IC50.17@35.238,28.935 37.927,28.935 v1(38.049,29.058) ; v1(38.456,60.858) 38.456,61.177 38.548,61.268 38.516,61.3 J57.4@41,61.3
  Bot w0.152: J54.2@1.118,53.111 2.51,54.504 5.121,54.504 5.243,54.381 6.096,54.381 6.477,54.762 v1(7.468,54.762) ; v1(24.435,53.899) 28.092,53.899 28.042,53.95 v1(28.042,54) ; v1(29.959,53.832) 30.076,53.95 30.733,53.95 31.063,53.619 v1(34.163,53.619) ; v1(38.049,29.058) 38.049,29.656 D42.1@38.086,29.693 38.086,30.783 R335.1@38.24,30.937 38.884,30.293 41.519,30.293 42.168,30.941 ; v1(38.456,60.858) 38.003,60.406 38.003,58.76 38.338,58.425 38.539,58.425 38.975,57.989 39.206,57.989 39.238,58.021 43.243,58.021 43.343,57.921 44.02,57.921 44.721,57.22 44.721,54.196 44.044,53.518 ; IC83.6@42.168,31.801 42.168,30.941 ; 44.018,53.492 44.044,53.518 ; 42.168,30.941 42.168,30.857 42.574,30.451 43.71,30.451 44.721,31.463 44.721,52.578 43.782,53.518 44.044,53.518
SWCLK: IC20.37 JP7.4 R345.2 | length 20.5
  Top w0.152: v1(14.986,50.825) 15.007,50.805 24.943,50.805 24.978,50.77 25.003,50.795 25.837,50.795 v1(25.908,50.724) 26.137,50.724 26.238,50.825 v1@25.908,50.825
  Bot w0.152: v1(14.986,50.825) 15.037,50.876 JP7.4@15.037,52.482 ; v1(25.908,50.724) 25.811,50.627 25.811,49.363 26.401,48.773 27.741,48.773 R345.2@27.914,48.946 28.192,48.668 28.192,47.429 27.97,47.207 27.97,46.209 IC20.37@27.555,46.209
SWDIO: IC20.34 JP7.2 | length 16.9
  Top w0.152: v1(14.148,50.749) 14.315,50.749 14.767,50.297 14.88,50.297 14.91,50.267 v1(25.222,50.267)
  Bot w0.152: JP7.2@13.767,52.482 14.148,52.101 v1(14.148,50.749) ; v1(25.222,50.267) 25.395,50.094 25.395,49.228 25.905,48.718 IC20.34@25.905,46.859
pads on no net: IC19.1 IC20.1 IC20.2 IC20.3 IC20.4 IC20.5 IC20.6 IC20.14 IC20.15 IC20.16 IC20.17 IC20.18 IC20.19 IC20.20 IC20.21 IC20.22 IC20.25 IC20.26 IC20.27 IC20.28 IC20.29 IC20.31 IC20.44 IC50.3 IC50.4 IC50.10 IC50.11 IC50.12 IC50.13 IC50.25 IC50.26 IC50.None IC83.7 J54.10 J54.11 J54.12 J55.12 J56.8 J56.10 J61.MH1 J61.MH2 J96.1 J96.2 J96.7 J96.9 JP7.6 JP7.7 JP7.8
copper on no net: | length 0
  Bot w0.254: 28.651,67.183 28.671,67.183

## Polygon pours and split planes (outlines as drawn)
GND on Top "Signal Layer 1-No Net 1" (solid, remove dead copper, pour order 0): 0.187,69.113 3.937,69.113 44.958,69.113 44.958,-0.051 44.806,0.102 -0.102,0.102
P5V0 on Top "Signal Layer 1-No Net 1" (solid, remove dead copper, pour order 2): 3.708,67.437 3.683,67.462 3.683,71.9 3.716,71.933 40.208,71.933 41.529,70.612 41.529,67.031 41.402,66.904 39.167,66.904 39.167,67.615 36.449,70.333 8.738,70.333 7.417,69.012 7.417,68.301 6.858,67.742 6.858,67.208 6.528,66.878 5.588,66.878
GND on Bot "Signal Layer 1-No Net 1" (solid, remove dead copper, pour order 4): 45.009,72.923 45.085,72.847 45.085,0.152 -0.025,0.152 0.051,0.229 0.051,72.923

## Keep-outs
Top:
  lines w0.1: 0,0.9 33.7,0.9 ; 0,71.9 33.7,71.9 ; 1.912,4.5 5.948,4.5 6.02,4.572 ; 1.912,14.5 5.915,14.5 5.918,14.503 ; 5.969,6.35 5.994,6.375 5.994,6.68 ; 5.969,10.338 5.969,10.643 ; 5.994,8.357 5.994,8.687 ; 6.096,12.344 6.096,12.7 ; 11.481,0.9 45.181,0.9 ; 11.481,71.9 45.181,71.9
Bot:
  lines w0.1: 0,2.65 33.35,2.65 ; 11.481,2.65 44.831,2.65
KeepOutLayer:
  lines w0.1: 0.025,0.025 0,0 ; 1.5,4.5 0.03,4.5 0,4.47 0,0 ; 1.5,14.5 0.029,14.5 0.025,14.503 0.025,58.242 0.144,58.361 1.539,58.361 ; 1.5,58.3 6.191,58.3 6.198,58.293 ; 1.539,68.301 5.385,68.301 5.486,68.199 ; 1.539,68.361 0.041,68.361 0.025,68.377 0.025,72.8 44.958,72.8 44.958,68.351 44.95,68.36 43.496,68.36 ; 3.759,66.015 4.216,66.015 4.242,65.989 ; 5.817,60.249 5.817,60.427 ; 5.817,62.255 5.842,62.281 5.842,62.586 ; 5.893,64.11 5.893,64.414 ; 5.893,66.116 5.918,66.142 5.918,66.548 ; 39.091,58.268 39.123,58.3 43.586,58.3 ; 39.167,60.249 39.167,60.477 ; 39.268,66.192 39.268,66.523 ; 39.294,62.255 39.319,62.281 39.319,62.586 ; 39.522,68.428 41.707,68.428 41.834,68.3 43.5,68.3 ; 40.792,61.976 41.25,61.976 ; 40.818,60.681 41.173,60.681 41.199,60.706 ; 43.496,58.36 43.588,58.268 45,58.268 ; 0,0 45,0 45,58.268 ; 45,58.268 45,58.268

## Other copper
Bot:
  rectangle net GND: 21.361,47.6 23.012,56.21
  rectangle net GND: 14.326,47.269 15.646,47.981
  rectangle net GND: 20.396,47.498 22.276,48.235

## Silkscreen, mask and mechanical layers (free items; w line width, h text height)
TopOverlay:
  text "v1.0" at 42.901,50.465 h1.52 r90
  text "Linux system  / controller" at 43.255,25.324 h2 r90
  text "12V" at 8.814,5.029 h1.2 r90
  text "CANL" at 13.919,4.928 h1.2 r90
  text "GND" at 16.612,4.928 h1.2 r90
  text "CANH" at 11.303,4.902 h1.2 r90
Mechanical1:
  lines w0.1: 0,14.5 0,53.8 ; 45,53.8 45,0 0,0 0,4.5 ; 0,4.5 0,4.5 ; 0,53.8 0,53.8
  lines w0.254: 0,4.5 1.5,4.5 ; 0,14.5 0.5,14.5 ; 0,53.8 0,58.3 1.5,58.3 1.5,63.6 1.9,64 4.6,64 4.6,64.6 1.9,64.6 1.5,65 1.5,68.3 0,68.3 0,72.8 45,72.8 45,68.3 43.5,68.3 43.5,65 43.1,64.6 40.4,64.6 40.4,64 43.2,64 43.4,63.8 43.5,63.7 43.5,58.3 45,58.3 45,53.8 ; 0.5,14.5 1.5,14.5 1.5,10.8 4.6,10.8 4.6,10.2 1.5,10.2 1.5,4.5 ; 0.5,14.5 0.5,14.5 ; 1.5,4.5 1.5,4.5

## Text inside footprints (layer, text, board x,y; h text height)
J53: TopOverlay "3" at 12.802,15.57 h1; TopOverlay "2" at 10.262,15.57 h1; TopOverlay "1" at 7.976,15.57 h1; TopOverlay "4" at 15.342,15.57 h1
J56: TopOverlay "1" at 7.125,66.5 h1.2; TopOverlay "5" at 6.825,58.52 h1.2; BottomOverlay "6" at 7.25,67.7 h1.2 r180; BottomOverlay "10" at 6.95,59.72 h1.2 r180
J57: TopOverlay "5" at 37.475,58.7 h1.2; TopOverlay "1" at 37.775,66.68 h1.2; BottomOverlay "10" at 36.6,59.9 h1.2 r180; BottomOverlay "6" at 37.65,67.88 h1.2 r180
J96: TopOverlay "1" at 7.125,12.7 h1.2; TopOverlay "5" at 6.825,4.72 h1.2; BottomOverlay "6" at 7.25,13.9 h1.2 r180; BottomOverlay "10" at 6.95,5.92 h1.2 r180